# KiCad board Karnix_ASB.kicad_pcb (continued)
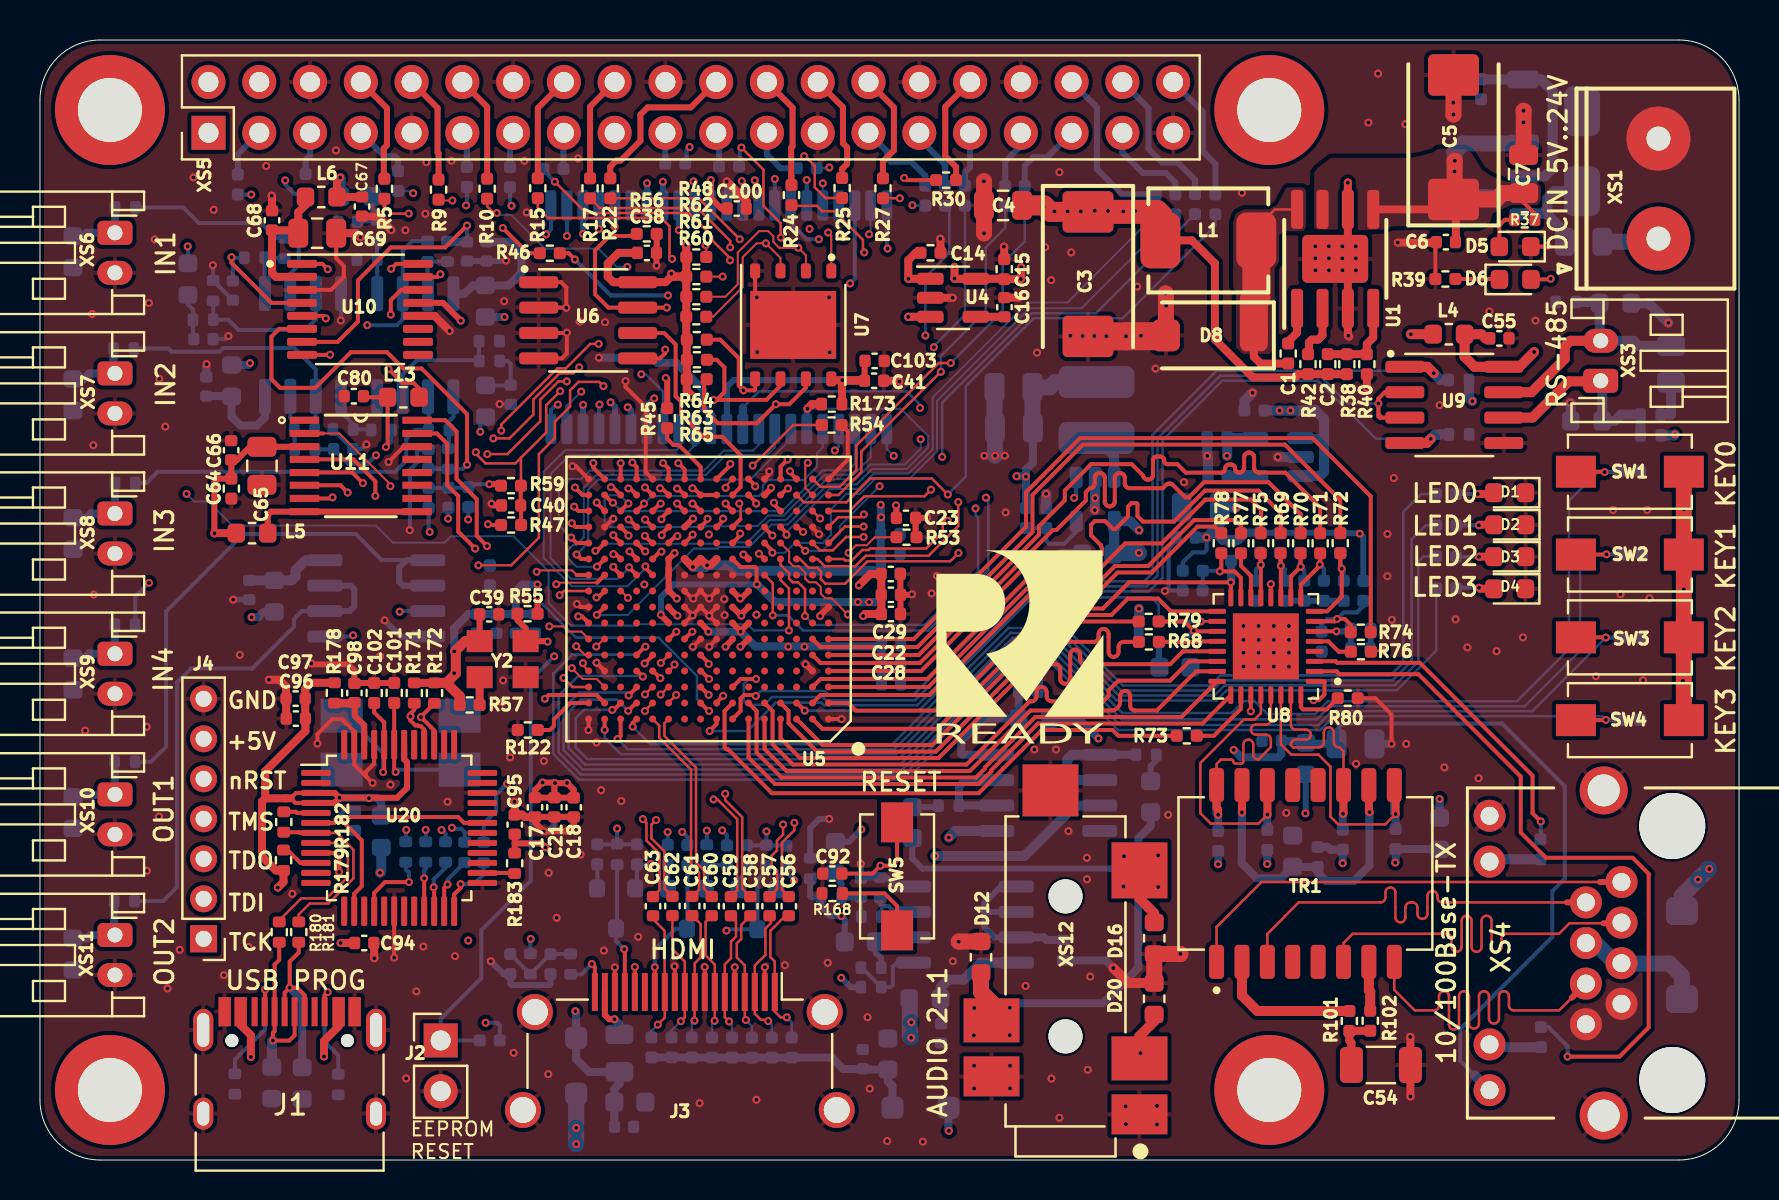
[diagram p0: board, top side]
## Routing (per net, layer and track width the routed paths; a pad name or vN(x,y) marks a point on that pad's centre or on a via; arc(x,y) is an arc through that point) (continued)
  In4.Cu w0.1: v1(30.28,30.43) 30.46,30.43 31.05,29.84 32.01,29.84 32.61,30.45 33.57,30.45 35.11,31.98 37.53,31.98 41.13,35.58 41.13,44.09 39.99,45.22 39.23,45.22 36.76,47.69 v1(36.76,49.05)
  Bottom w0.2: U21.37 v1(36.76,49.05)
SRAM_D15: length 30.4
  Top w0.2: v1(29.45,31.22) 29.45,31.25 U5.N14
  In4.Cu w0.1: v1(29.45,31.22) 29.91,30.76 29.91,30.18 30.03,30.05 30.51,30.05 30.95,29.62 32.1,29.62 32.71,30.22 33.66,30.22 34.39,30.95 35.24,30.95 36.06,31.76 37.62,31.76 41.35,35.49 41.35,44.18 39.87,45.67 39.34,45.67 v1(38.97,46.04)
  Bottom w0.2: v1(38.97,46.04) 38.36,46.04 37.56,46.84 U21.38
UART_DEBUG_RXD: length 16.9
  Top w0.2: U20.40 19.22,21.53 19.05,21.69 18.95,21.69 18.92,21.73 18.78,21.73 18.53,21.97 18.53,22.19 ; v1(31.03,24.09) 30.67,24.45 U5.D12 ; 18.53,22.19 18.53,22.33 18.72,22.52 R171.1 ; 18.53,22.19 v1(18.54,22.19) 18.53,22.19
  In1.Cu w0.125: v1(18.54,22.19) 18.54,22.03 18.83,21.73 19.25,21.73 19.39,21.87 27.15,21.87 29.02,23.73 30.71,23.73 31.03,24.06 v1(31.03,24.09)
UART_DEBUG_TXD: length 15.5
  Top w0.2: U5.E12 30.65,25.23 v1(30.25,24.83) ; R172.1 19.06,22.16 v1(19.06,22.14) 19.18,22.02 19.19,22.02 19.54,21.66 19.54,21.66 19.72,21.48 U20.39
  In1.Cu w0.125: v1(19.06,22.14) 19.07,22.15 27.08,22.15 29.76,24.83 v1(30.25,24.83)
Net-(C54-Pad1): length 2.8
  Top w0.3: 65.52,6.46 R101.2
  Top w0.4: R102.2 65.52,6.46 ; C54.1 65.61,5.87 65.51,5.97 R101.2
Net-(C76-Pad2): length 2.3
  Bottom w0.2: L11.1 7.4,42.78 7.65,42.53 R131.1 7.65,41.09 C76.2
Net-(C77-Pad2): length 2.9
  Bottom w0.2: R132.1 23.4,39.95 23.55,39.8 C77.2 23.53,38.73 L12.1
Net-(C80-Pad2): length 4.7
  Top w0.2: C80.2 16.23,38.14 L13.1 17.39,35.74 v1(17.31,35.65)
  Bottom w0.2: v1(17.31,35.65) 17.59,35.93 R143.1
Net-(C81-Pad2): length 2.3
  Bottom w0.3: L14.1 16.61,47.54 16.86,47.3 16.86,46.98 15.94,46.98 15.87,46.91
Net-(C82-Pad1): length 1.4
  Bottom w0.3: R127.1 55.85,19.98 55.56,19.7 C82.1
Net-(C83-Pad1): length 1.3
  Bottom w0.3: C83.1 44.89,17.65 44.95,17.71
Net-(C86-Pad2): length 3.3
  Bottom w0.2: C86.2 41.07,12.18 R150.1
  Bottom w0.3: L16.1 39.79,14.13 40.1,13.82 R157.2 41.07,13.13 C86.2
Net-(C87-Pad1): length 3.8
  Bottom w0.2: C87.1 23.53,10.29 R153.2 25.53,10.29 R152.2 26.55,10.29
Net-(D1-A): length 1.9
  Top w0.2: 71.94,33.3 v1(71.93,33.3)
  Top w0.4: D1.2 72.67,33.3 71.94,33.3
  Bottom w0.2: v1(71.93,33.3) R1.2
Net-(D2-A): length 1.9
  Top w0.2: 72.01,31.76 v1(71.98,31.73)
  Top w0.4: D2.2 72.01,31.76
  Bottom w0.2: R7.2 70.86,31.73 v1(71.98,31.73)
Net-(D3-A): length 1.9
  Top w0.2: 72,30.17 v1(71.99,30.16)
  Top w0.4: D3.2 72,30.17
  Bottom w0.2: v1(71.99,30.16) 70.86,30.16 R13.2
Net-(D4-A): length 1.9
  Top w0.2: 72.05,28.56 v1(71.99,28.62)
  Top w0.4: D4.2 72.05,28.56
  Bottom w0.2: v1(71.99,28.62) 70.87,28.62 R20.2
Net-(D5-A): length 1.9
  Top w0.2: 73.78,47.01 73.28,47.01 73.01,46.73 D5.2
Net-(D6-K): length 2.2
  Top w0.2: D6.1 72.99,44.05 R39.1
Net-(D7-A): length 9.3
  Bottom w0.5: Q1.1 75.29,49.18 75.68,49.57 75.68,53.45 75.09,54.03 D7.2 72.1,54.03 R41.1
Net-(D8-K): length 10.8
  Top w0.125: L1.2 60.85,46.6 61.78,47.53 U1.8
  Top w0.4: 62.5,39.82 61.07,39.82 60.73,40.16 D8.1
  Top w1.4: L1.2 60.85,43.12 60.73,43 D8.1
Net-(D9-A): length 5.6
  Bottom w0.5: 75.41,47.32 74.31,47.32 74.26,47.27 ; 75.41,47.32 75.41,48.09 75.76,48.44 77.15,48.44 D9.2 ; 75.41,47.32 75.41,47.28 76.28,46.41 F1.1
Net-(D23-A): length 6.6
  Bottom w0.8: D23.2 82.14,9.21 81.53,9.82 79.14,9.82 XS4.5 78.82,9.84 77.81,10.85 XS4.4
Net-(D28-A): length 8.8
  Top w0.2: J1.A7 12.74,6.23 12.48,5.97 v1(11.65,5.97) 11.65,6.35 11.74,6.44 J1.B7 11.74,9.78 11.97,10.01 R180.1
  Bottom w0.5: v1(11.65,5.97) 11.6,5.92 D28.2
Net-(D29-A): length 9.7
  Top w0.2: R181.1 12.94,10.38 12.49,9.92 v1(12.49,8.62) ; v1(12.49,8.62) 12.86,8.62 13.24,8.24 J1.B6 ; v1(12.49,8.62) 12.24,8.37 J1.A6
  Bottom w0.4: v1(12.49,8.62) 13.12,7.99 D29.2
Net-(J1-CC1): length 6
  Top w0.2: J1.A5 11.26,7.44 v1(11.26,8.52)
  Bottom w0.2: 9.75,4.3 9.75,5.02 11.26,6.53 v1(11.26,8.52)
Net-(J1-CC2): length 5.5
  Top w0.2: J1.B5 14.24,8.24 v1(14.4,8.39)
  Bottom w0.2: 14.92,4.27 14.92,5.24 14.24,5.92 14.24,8.24 v1(14.4,8.39)
Net-(J3-+5V): length 2.6
  Top w0.3: J3.18 28.26,7.25 28.47,7.04 v1(28.74,7.04)
  Bottom w0.4: F2.2 28.99,6.79 v1(28.74,7.04)
Net-(J3-CK+): length 6.6
  Top w0.125: C62.2 31.64,10.54 32.26,9.92 J3.10 32.26,7.14 v1(32.06,6.94)
  Bottom w0.125: R111.2 31.6,6.48 v1(32.06,6.94)
Net-(J3-CK-): length 6.6
  Top w0.125: v1(30.91,6.77) 31.26,7.12 J3.12 31.25,8.41 31.25,11.46 30.67,12.04 C63.2
  Bottom w0.125: R110.2 30.59,6.45 v1(30.91,6.77)
Net-(J3-D0+): length 6.5
  Top w0.125: v1(33.75,6.96) 33.76,6.97 J3.7 33.76,9.77 33.3,10.23 33.3,11.91 C60.2
  Bottom w0.125: R113.2 33.62,6.83 v1(33.75,6.96)
Net-(J3-D0-): length 6.4
  Top w0.125: v1(32.75,6.97) 32.75,8.39 J3.9 32.76,9.84 33.05,10.13 33.05,11.8 C61.2
  Bottom w0.125: v1(32.75,6.97) 32.61,6.83 R112.2
Net-(J3-D1+): length 6.7
  Top w0.125: v1(35.31,7) 35.26,7.05 J3.4 35.26,9.73 34.86,10.13 34.86,10.83 35.08,11.05 35.08,11.75 C58.2
  Bottom w0.125: R115.2 35.61,6.7 v1(35.31,7)
Net-(J3-D1-): length 6.6
  Top w0.125: v1(34.48,6.93) 34.26,7.14 J3.6 34.26,9.78 34.57,10.09 34.57,10.92 34.82,11.17 34.82,11.96 C59.2
  Bottom w0.125: v1(34.48,6.93) 34.62,6.78 R114.2
Net-(J3-D2+): length 7.2
  Top w0.125: C56.2 37.29,12.21 36.54,11.46 36.54,10.15 36.76,9.93 J3.1 36.76,7.42 37.05,7.13 v1(37.36,7.13)
  Bottom w0.125: R117.2 37.61,6.89 v1(37.36,7.13)
Net-(J3-D2-): length 7
  Top w0.125: C57.2 36.57,12.14 36.57,11.85 36.29,11.57 36.29,10.25 35.76,9.72 J3.3 35.76,7.32 36.07,7.01 36.37,7.01 v1(36.43,6.95)
  Bottom w0.125: v1(36.43,6.95) 36.61,6.77 R116.2
Net-(J3-HPD/HEAC-): length 2.7
  Top w0.2: v1(27.61,9.8) 27.76,9.65 J3.19
  Bottom w0.2: v1(27.61,9.8) 27.09,9.28 26.56,9.28 26.55,9.29
Net-(L17-Pad1): length 15.1
  In3.Cu w0.4: v1(58.94,14.79) 61.39,14.79 v1(61.4,14.8) 65.13,14.8 v1(65.17,14.84) 67.77,14.84 v1(67.8,14.87)
  Bottom w0.4: v1(58.94,14.79) 58.95,14.8 R97.1 ; v1(65.17,14.84) 65.17,14.84 R99.1 64.56,15.52 64.43,15.65 R96.1 ; R98.1 v1(61.4,14.8) ; L17.1 70.01,15.55 R100.1 67.81,14.89 v1(67.8,14.87)
Net-(Q2-G): length 1.2
  Bottom w0.2: R120.2 31.4,13.58 Q2.1
Net-(Q2-S): length 2.2
  Bottom w0.2: R155.1 34.35,14.75 33.36,14.75 33.36,13.6 Q2.2
Net-(Q3-G): length 1.2
  Bottom w0.2: R118.2 27.88,13.58 Q3.1
Net-(Q4-G): length 1.4
  Bottom w0.2: R161.2 35.36,14.43 34.94,14.01 Q4.1
Net-(R101-Pad1): length 7.4
  Top w0.5: R101.1 60.9,7.45 60.13,8.22 TR1.2
Net-(R102-Pad1): length 2.5
  Top w0.5: R102.1 66.55,8.42 66.48,8.49 TR1.7
Net-(R103-Pad2): length 2.6
  Bottom w0.5: R103.2 75.08,5.64 72.66,5.64 XS4.12
Net-(R106-Pad1): length 2.1
  Bottom w0.5: R107.1 81.6,37.27 R106.1
Net-(R123-Pad1): length 2.8
  Bottom w0.2: R123.1 12.18,45.11 R125.2 11.24,43.35 11.25,43.33
Net-(R124-Pad1): length 2.7
  Bottom w0.2: 20.68,38.16 20.68,37.16 20.46,36.94 R124.1 20.46,35.61 R126.2
Net-(R135-Pad1): length 2.7
  Bottom w0.2: U12.7 12.52,37.13 12.72,36.93 R135.1 12.74,36.51 R139.2
Net-(R136-Pad1): length 2.6
  Bottom w0.2: U13.7 19.39,43.34 R136.1 19.39,44.92 R140.2
Net-(R147-Pad1): length 4.1
  Bottom w0.2: 41.07,9.63 41.1,9.63 R148.2 42.56,8.64 42.66,8.75 42.66,9.65 42.87,9.87 U16.1
Net-(R168-Pad1): length 4.2
  Top w0.2: SW5.2 42.88,12.7 42.25,13.33 40.14,13.33
Net-(TR1-Pad1): length 22.9
  Top w0.125: TR1.1 58.86,11.65 61.11,13.9 78.04,13.9
  Top w0.3: XS4.1 78.04,13.9
Net-(TR1-Pad3): length 23
  Top w0.125: TR1.3 61.4,10.02 61.4,10.02 61.4,11.3 62.27,12.17 62.27,12.18 62.97,12.88 67.06,12.88 arc(67.24,12.95) 67.31,13.13 67.31,13.38 arc(67.38,13.56) 67.56,13.63 arc(67.74,13.56) 67.81,13.38 67.81,12.13 arc(67.88,11.95) 68.06,11.88 arc(68.24,11.95) 68.31,12.13 68.31,12.63 arc(68.38,12.81) 68.56,12.88 68.66,12.88 arc(68.84,12.81) 68.91,12.63 68.91,12.31 arc(68.98,12.13) 69.16,12.06 arc(69.34,12.13) 69.41,12.31 69.41,13.2 arc(69.48,13.38) 69.66,13.45 arc(69.84,13.38) 69.91,13.2 69.91,13.13 arc(69.98,12.95) 70.16,12.88 76.4,12.88
  Top w0.3: XS4.2 76.4,12.88
Net-(TR1-Pad6): length 23
  Top w0.125: TR1.6 65.21,10.85 65.67,11.31 70.37,11.31 arc(70.55,11.24) 70.62,11.06 70.62,10.66 arc(70.69,10.48) 70.87,10.41 arc(71.05,10.48) 71.12,10.66 71.12,11.96 arc(71.19,12.14) 71.37,12.21 arc(71.55,12.14) 71.62,11.96 71.62,10.66 arc(71.69,10.48) 71.87,10.41 arc(72.05,10.48) 72.12,10.66 72.12,11.96 arc(72.19,12.14) 72.37,12.21 arc(72.55,12.14) 72.62,11.96 72.62,10.66 arc(72.69,10.48) 72.87,10.41 arc(73.05,10.48) 73.12,10.66 73.12,11.06 arc(73.19,11.24) 73.37,11.31 75.99,11.31 76.52,11.84 78.23,11.84
  Top w0.3: XS4.3 79.09,11.84 78.23,11.84
Net-(TR1-Pad8): length 23
  Top w0.125: TR1.8 67.75,9.91 67.75,8.51 68.78,7.48 69.74,7.48 arc(69.92,7.55) 69.99,7.73 69.99,8.19 arc(70.06,8.37) 70.24,8.44 arc(70.42,8.37) 70.49,8.19 70.49,6.77 arc(70.56,6.59) 70.74,6.52 arc(70.92,6.59) 70.99,6.77 70.99,8.19 arc(71.06,8.37) 71.24,8.44 arc(71.42,8.37) 71.49,8.19 71.49,6.82 arc(71.56,6.64) 71.74,6.57 arc(71.92,6.64) 71.99,6.82 71.99,8.19 arc(72.06,8.37) 72.24,8.44 arc(72.42,8.37) 72.49,8.19 72.49,7.07 arc(72.56,6.89) 72.74,6.82 arc(72.92,6.89) 72.99,7.07 72.99,8.19 arc(73.06,8.37) 73.24,8.44 arc(73.42,8.37) 73.49,8.19 73.49,7.73 arc(73.56,7.55) 73.74,7.48 76,7.48 76.64,8.12
  Top w0.3: XS4.6 76.64,8.12
Net-(U1-BOOT): length 1.9
  Top w0.4: U1.1 62.89,41.37 62.5,40.98 62.5,40.82
Net-(U1-FB): length 4.4
  Top w0.4: C2.2 64.43,40.29 R38.2 R40.1 66.38,40.8 66.7,41.12 U1.4
Net-(U2-FB): length 4
  Bottom w0.2: R43.2 50.35,31.6 R44.1 50.35,30.95 50.49,30.81 51.24,30.81 51.84,31.41 U2.5
Net-(U2-SW): length 2.3
  Bottom w0.5: U2.3 53.74,35.21 L2.1
Net-(U3-BP): length 1.4
  Bottom w0.5: U3.4 C13.1
Net-(U4-BP): length 1.4
  Top w0.4: C16.1 U4.4
Net-(U5B-PT38A): length 13.1
  Top w0.2: U5.B9 33.45,22.45 v1(33.47,22.45)
  Top w0.3: v1(24.89,28.16) 24.89,28.16 R55.1
  Bottom w0.125: v1(24.89,28.16) 24.89,28.04 26.81,26.12 30.95,26.12 32.87,24.2 32.87,23.05 v1(33.47,22.45)
Net-(U5G-CFG_0): length 10.4
  Top w0.125: v1(35.65,34.72) 37.68,36.75 R54.1
  Top w0.3: U5.N10 v1(32.67,32.07)
  In1.Cu w0.1: v1(32.67,32.07) 33.09,31.65 34.4,31.65 35.4,32.66 35.4,34.47 v1(35.65,34.72)
Net-(U5G-CFG_1): length 20.1
  Top w0.1: v1(33.3,45.74) 33.33,45.71 R48.2
  Top w0.2: U5.P10 31.88,32.82 v1(31.88,32.82)
  In4.Cu w0.1: v1(31.88,32.82) 32.26,33.2 32.26,34.11 32.45,34.29 32.45,36.76 31.34,37.86 31.34,38.35 30.92,38.77 30.92,39.91 29.01,41.82 29.01,44.81 30.23,46.03 32.05,46.03 32.35,46.33 33.05,46.33 33.3,46.08 v1(33.3,45.74)
Net-(U5G-CFG_2): length 16.1
  Top w0.1: R53.1 41.77,31.14 41.36,30.74 40.83,30.74 v1(40.45,30.36)
  Top w0.2: v1(31.88,33.57) 31.93,33.57 U5.R10
  In1.Cu w0.1: v1(31.88,33.57) 31.83,33.57 31.49,33.23 31.49,30.87 31.57,30.79 31.87,30.79 32.27,30.38 34.16,30.38 35.15,29.39 39.48,29.39 v1(40.45,30.36)
Net-(U5G-DONE): length 19.3
  Top w0.2: v1(26.76,45.03) 26.45,45.34 R46.2 ; U5.P9 32.68,32.82 v1(32.64,32.82)
  In4.Cu w0.125: v1(32.64,32.82) 33.31,33.49 33.31,36.34 31.74,37.91 31.74,39.43 30.53,40.64 30.53,42.78 30.98,43.23 v1(31.42,43.23)
  Bottom w0.2: v1(31.42,43.23) 28.56,43.23 v1(26.76,45.03)
Net-(U5G-INITN): length 3.4
  Top w0.2: U5.T9 33.05,34.66 31.96,35.75 31.69,35.75 31.38,36.06 R45.2
Net-(U8-CRS): length 2.4
  Top w0.2: U8.14 60.58,29.21 60.09,29.7 R77.2
Net-(U8-LED1/~{REGOFF}): length 16.6
  Top w0.2: v1(75.08,16.93) 74.67,17.34 74.67,19.22 69.03,24.86 64.9,24.86 64.82,24.94 64.06,24.94 64.06,24.93 U8.3
  Bottom w0.2: R81.1 75.08,16.05 v1(75.08,16.93)
Net-(U8-nRST): length 6.4
  Top w0.2: U8.19 57.76,26.43 v1(57.72,26.47) 57.26,26.93 R79.2
  Bottom w0.2: v1(57.72,26.47) 57.15,25.91 R88.2
  Bottom w0.3: R88.2 55.98,24.67 C48.1
Net-(U8-RBIAS): length 2.7
  Top w0.2: R80.1 64.36,22.53 63.19,22.53 63.08,22.64 U8.32
Net-(U8-RXDV): length 3.5
  Top w0.2: R73.2 58.73,21.21 60.08,22.56 U8.26
Net-(U8-TXCLK): length 2.9
  Top w0.2: U8.20 58.1,25.93 58.08,25.91 R68.2
Net-(U8-VDDCR): length 2.8
  Top w0.2: U8.6 64.85,26.43 v1(64.86,26.43)
  Bottom w0.2: 65.57,25.59 C44.1
  Bottom w0.3: v1(64.86,26.43) 65.45,26.43 C45.1 65.57,25.59
Net-(U8-XTAL1/CLKIN): length 2
  Top w0.2: R76.1 64.98,25.42 64.46,25.93 U8.5
Net-(U9-VCC): length 17.4
  Top w0.5: C55.1 72.32,41.08 72.11,41.29 L4.1 71.27,40.16 71.77,39.66 U9.8 74.01,39.66 v1(74.75,40.4)
  In3.Cu w0.5: v1(74.75,40.4) 74.75,37.88 76.35,36.28 v1(81.79,36.28)
  Bottom w0.5: R105.1 81.74,36.23 v1(81.79,36.28)
Net-(U10-VA): length 7
  Top w0.4: L6.1 13.28,47.75 12.92,47.39 C69.1 12.78,46.48 11.61,46.48 11.61,44.35 11.8,44.16 U10.2
Net-(U11-VREFABCD): length 8.5
  Top w0.3: L5.2 11.4,32.26 11.56,32.42 U11.8 U11.9
Net-(U12A-+): length 7.8
  Bottom w0.2: 13.79,43.33 13.81,43.31 13.81,42.05 13.27,41.5 9.94,41.5 9.43,42.01 R131.2 8.67,42.95 R133.2
Net-(U12A--): length 11.6
  Bottom w0.2: 12.52,43.33 12.52,44.31 12.94,44.73 12.94,45.82 12.67,46.09 R123.2 11.81,46.09 11.05,46.85 7.95,46.85 7.17,47.63 R129.2
Net-(U12B-+): length 2.8
  Bottom w0.2: U12.5 15.06,37.39 15.67,36.78 R145.2 16.54,36.52 R143.2
Net-(U12B--): length 12.7
  Bottom w0.2: R141.2 6.43,40.58 6.59,40.42 8.98,40.42 9.16,40.6 12.73,40.6 13.79,39.53 U12.6 13.79,37.17 13.73,37.11 13.74,37.09 R135.2
Net-(U12C-V+): length 5.3
  Bottom w0.4: C70.1 9.57,38.19 L7.1 9.58,37.17 10.03,36.72 10.84,36.72 11.25,37.13 U12.8
Net-(U13A-+): length 6.3
  Bottom w0.2: R134.2 21.97,39.96 R132.2 21.95,39.99 18.85,39.99 18.14,39.28 18.14,38.16
Net-(U13A--): length 18.1
  Bottom w0.2: 19.41,38.16 19.44,38.13 R124.2 18.77,36.51 18.33,36.06 18.33,34.97 17.77,34.41 5.89,34.41 5.33,33.85 R130.2
Net-(U13B-+): length 2.7
  Bottom w0.2: R144.2 16.86,45.04 R146.2 16.88,44.44 16.87,44.43 U13.5
Net-(U13B--): length 30.5
  In1.Cu w0.2: v1(16.37,41.74) 15.23,42.88 12.34,42.88 8.17,38.71 8.17,31.57 v1(5.45,28.85)
  Bottom w0.2: 19.39,45.95 18.62,45.95 18.14,45.47 18.14,42.03 17.85,41.74 v1(16.37,41.74) ; R142.2 4.76,28.16 v1(5.45,28.85)
Net-(U13C-V+): length 6.9
  Bottom w0.4: 20.68,43.31 21.24,43.31 21.66,43.73 L8.1 23.44,43.73 24.09,44.38 24.09,45.51 23.7,45.91 C71.1
Net-(U14A--): length 6
  Bottom w0.4: 54.83,20.26 54.83,20.26 U14.1
  Bottom w0.5: U14.1 51.63,20.26 51.39,20.03 51.39,19.33 51.72,18.99 U14.2
Net-(U14B--): length 4.9
  Bottom w0.4: U14.6 45.98,17.72 R137.2 45.97,18.67 46.3,18.99 U14.7
Net-(U14C-V+): length 7.1
  Bottom w0.4: C72.1 48.97,22.08 L9.1 47.2,22.08 46.09,20.97 46.09,20.32 46.14,20.26 U14.8
Net-(U15A--): length 27.7
  Bottom w0.2: U15.1 19.38,30 17.09,30 15.79,31.3 10.18,31.3 6.31,27.43 6.31,20.67 5.55,19.91 R128.2
  Bottom w0.3: U15.2 18.16,28.72 17.97,28.91 17.97,29.62 18.33,29.99 U15.1
Net-(U15B--): length 25.7
  Bottom w0.2: U15.6 13.1,27.45 12.71,27.06 12.71,26.67 10.61,24.57 10.6,24.58 7.56,24.58 6.85,23.87 6.85,13.64 6.16,12.95 R138.2
  Bottom w0.3: U15.6 15.49,27.45 15.73,27.68 15.73,28.53 15.54,28.72 U15.7
Net-(U15C-V+): length 4.4
  Bottom w0.5: C73.1 L10.1 12.59,28.98 12.79,29.18 12.79,29.48 13.29,29.99 U15.8
Net-(U16A-+): length 2.7
  Bottom w0.2: R151.2 42.04,12.77 42.11,12.69 ; U16.3 42.74,12.41 42.46,12.69 42.11,12.69 ; 42.11,12.69 R150.2
Net-(U16A--): length 3.4
  Bottom w0.3: U16.2 42.62,11.14 42.4,10.91 C85.2 41.81,10.36 42.09,10.09 42.09,9.62 R147.2
Net-(U16B-+): length 9
  Bottom w0.3: U16.6 47.29,12.41 47.24,12.36 ; 47.24,12.36 47.24,12.85 48.07,13.68 U16.5 ; 47.24,12.36 47.24,11.64 47.75,11.14 U16.7
  Bottom w0.4: U16.7 50.23,11.14 50.36,11 R156.2
Net-(U16C-V+): length 6.1
  Bottom w0.3: C84.1 45.07,8.05 L15.1
  Bottom w0.5: U16.8 47.07,9.87 46.22,9.02 45.44,9.02 45.06,8.64 L15.1
Net-(U20-3V3OUT): length 15.1
  Top w0.2: v1(14.88,17) 15.08,17 16.1,15.98 16.1,13.69 15.72,13.31 U20.14 ; v1(14.88,17) 15.03,17.15 20.92,17.15 21.22,16.85 U20.31 ; v1(14.88,17) 14.73,16.85 U20.6
  Bottom w0.2: v1(14.88,17) 14.88,17.13 15.2,17.45 15.75,17.45
Net-(U20-ADBUS0): length 3.4
  Top w0.2: v1(21.05,13.8) 21.05,13.61 20.72,13.28 U20.24
  Bottom w0.2: 22.2,14.87 22.2,14.28 21.71,13.8 v1(21.05,13.8)
Net-(U20-ADBUS1): length 2.9
  Top w0.2: v1(20.39,13.78) 20.22,13.6 U20.23
  Bottom w0.2: v1(20.39,13.78) 20.39,14.03 R164.1
Net-(U20-ADBUS2): length 2.7
  Top w0.2: v1(19.7,13.64) 19.72,13.61 U20.22
  Bottom w0.2: R165.1 20.29,14.62 19.7,14.03 v1(19.7,13.64)
Net-(U20-ADBUS3): length 2.5
  Top w0.2: U20.21 v1(19.22,14.09)
  Bottom w0.2: v1(19.22,14.09) 19.22,14.48 19.3,14.57 R167.1
Net-(U20-ADBUS7): length 3.9
  Top w0.2: v1(18.46,13.9) 17.26,13.9 16.72,13.36 U20.16
  Bottom w0.2: v1(18.46,13.9) 18.46,14.38 18.3,14.54 R166.1
Net-(U20-AVCC): length 3.3
  Top w0.3: U20.46 16.22,21.74 15.75,22.21 15.75,22.83 15.73,22.85
  Top w0.4: 15.73,22.85 15.72,22.84 R178.2
Net-(U20-SI/WU_A): length 1.9
  Top w0.2: U20.10 13.03,14.85 12.38,15.5 R179.1
Net-(U20-SI/WU_B): length 1.6
  Top w0.2: U20.26 23.72,14.35 R183.1
Net-(U20-XTIN): length 6.7
  Top w0.2: v1(17.79,19.4) 17.72,19.47 U20.43 17.72,22.85 C101.1
  Bottom w0.2: 20.99,19.52 17.91,19.52 v1(17.79,19.4)
Net-(U20-XTOUT): length 7.5
  Top w0.2: v1(17.17,19.39) 17.22,19.45 U20.44 17.22,21.88 16.72,22.38 C102.1
  Bottom w0.2: Y1.3 15.29,22.22 17.17,20.34 v1(17.17,19.39)
Net-(U20-~{RSTOUT}): length 1.6
  Top w0.2: U20.5 12.86,17.35 12.8,17.41 R182.2
Net-(XS5-Pin_3): length 2.5
  Bottom w0.3: XS5.3 9.89,50.29 R3.1
Net-(XS5-Pin_5): length 2.2
  Bottom w0.3: XS5.5 13.51,50.23 13.29,50.01 R4.2
Net-(XS5-Pin_7): length 3
  Bottom w0.3: XS5.7 17.21,50.2 17.75,50.2 17.91,50.04 R6.1
Net-(XS5-Pin_8): length 5.5
  Top w0.3: R5.1 17.2,49.09 17.2,50.58 17.36,50.74 17.36,52.59 XS5.8
Net-(XS5-Pin_10): length 5.4
  Top w0.3: XS5.10 19.89,52.6 19.89,50.38 19.94,50.33 R9.2
Net-(XS5-Pin_11): length 1.8
  Bottom w0.3: XS5.11 21.36,51.14 R11.1
Net-(XS5-Pin_12): length 5.3
  Top w0.3: XS5.12 22.37,52.66 R10.2
Net-(XS5-Pin_13): length 1.8
  Bottom w0.3: R12.1 23.51,51.2 XS5.13
Net-(XS5-Pin_15): length 1.8
  Bottom w0.3: XS5.15 26.18,51.34 R16.1
Net-(XS5-Pin_16): length 5.4
  Top w0.3: R15.1 24.9,52.6 XS5.16
Net-(XS5-Pin_18): length 5.3
  Top w0.3: R17.1 27.52,52.67 XS5.18
Net-(XS5-Pin_19): length 1.5
  Bottom w0.3: R18.1 31.28,51.35 XS5.19
Net-(XS5-Pin_21): length 1.7
  Bottom w0.3: XS5.21 33.98,51.22 R21.2
Net-(XS5-Pin_22): length 8.4
  Top w0.3: R22.1 28.53,49.67 28.83,49.97 29.05,49.97 30.04,50.96 30.04,52.27 30.4,52.63 32.56,52.63 XS5.22
Net-(XS5-Pin_23): length 2.9
  Bottom w0.3: XS5.23 36.37,50.27 37.05,49.59 R23.2
Net-(XS5-Pin_24): length 5.7
  Top w0.3: R24.1 37.59,49.2 37.58,49.21 37.58,50.61 37.65,50.68 37.65,52.62 XS5.24
Net-(XS5-Pin_26): length 5.5
  Top w0.3: R25.2 40.13,49.56 40.38,49.81 40.38,50.63 40.17,50.84 40.17,52.64 XS5.26
Net-(XS5-Pin_27): length 4.4
  Bottom w0.3: R26.1 44.29,49.21 43.58,49.92 42.55,49.92 42.39,50.09 42.39,50.43 XS5.27
Net-(XS5-Pin_28): length 5.6
  Top w0.3: XS5.28 42.72,52.63 42.72,50.48 42.17,49.93 42.17,49.09 R27.2
Net-(XS5-Pin_29): length 3.2
  Bottom w0.3: XS5.29 43.99,51.07 45.28,49.78 R28.2
Net-(XS5-Pin_31): length 2.8
  Bottom w0.3: R29.1 46.27,49.38 46.53,49.64 XS5.31
Net-(XS5-Pin_32): length 5.6
  Top w0.3: R30.1 45.83,49.66 45.29,50.2 45.29,52.66 XS5.32
Net-(XS5-Pin_33): length 3
  Bottom w0.3: XS5.33 49.07,50.71 48.29,49.93 R31.2
Net-(XS5-Pin_35): length 4
  Bottom w0.3: XS5.35 50.39,50.14 49.7,50.14 49.27,49.71 R33.2
Net-(XS5-Pin_36): length 8.3
  Bottom w0.3: R32.1 54.14,48.29 52.87,49.55 52.87,52.64 XS5.36
Net-(XS5-Pin_37): length 4.9
  Bottom w0.3: XS5.37 54.15,50.38 55.17,49.36 56.32,49.36 56.8,48.88 R34.2
Net-(XS5-Pin_38): length 7.6
  Bottom w0.3: R35.2 57.78,49.02 56.93,49.88 56.14,49.88 55.45,50.56 55.45,52.6 XS5.38
Net-(XS5-Pin_40): length 6.5
  Bottom w0.3: R36.2 58.8,49.8 58.18,50.43 58.18,52.41 XS5.40
Net-(Y2-EN): length 1.4
  Top w0.4: R57.2 21.99,24.14 Y2.1

## Copper pours and planes (outline as drawn; the poured copper is in the pictures)
+3V3 on In3.Cu: -0.03,56.01 84.96,56.05 84.96,0 0,0.04
+24V on Top: 63.74,46.62 63.74,48.4 63.75,49.38 63.9,49.59 64.58,50.11 68.53,50.11 69.09,50.21 69.7,50.39 69.94,50.56 71.24,50.56 71.6,50.38 72.15,49.5 72.68,49.16 73.39,48.9 74.89,48.92 75.09,48.67 75.09,48.01 74.93,47.75 73.6,47.75 73.27,47.6 72.69,47.33 72.55,46.9 71.95,46.64 68.93,46.72 67.62,46.68 67.29,46.53 66.34,46.49 63.85,46.53
GND on Top, Bottom, In1.Cu, In2.Cu, In4.Cu: -0.01,56.01 84.98,56.05 84.98,0 0.02,0.04
GND on Top, In2.Cu: 26.99,34.37 39.77,34.36 39.75,21.78 27.01,21.73
Net-(D8-K) on Top: 63.34,46.65 63.19,46.44 62.26,46.44 61.99,46.23 61.99,44.9 61.77,44.59 61.77,40.66 61.53,40.3 60.19,40.3 59.83,40.62 59.83,43.38 59.69,43.66 59.69,46.89 59.84,47.33 60.23,47.54 61.48,47.53 61.9,47.77 62.36,48.63 63.19,48.63 63.34,48.5

## Text on the board
B.Mask: Karnix ASB-254 / ${REVISION} ${ISSUE_DATE} / (C) Fabmicro, LLC.
F.Mask: ПИР СЦХ-254 {dblquote}Карно{dblquote} / ФМТД.466961.029
F.Silkscreen: EEPROM / RESET | +5V | GND | nRST | TMS | TDO | TDI | TCK | USB PROG | HDMI | RESET | LED0 | LED3 | LED1 | LED2 | IN4 | OUT1 | IN3 | OUT2 | IN1 | IN2 | AUDIO 2+1 | 10/100Base-TX | RS-485 | DCIN 5V..24V | KEY0 | KEY1 | KEY2 | KEY3
